# KiCad board EnvKB105-RPI.kicad_pcb
date: 2021-06-16
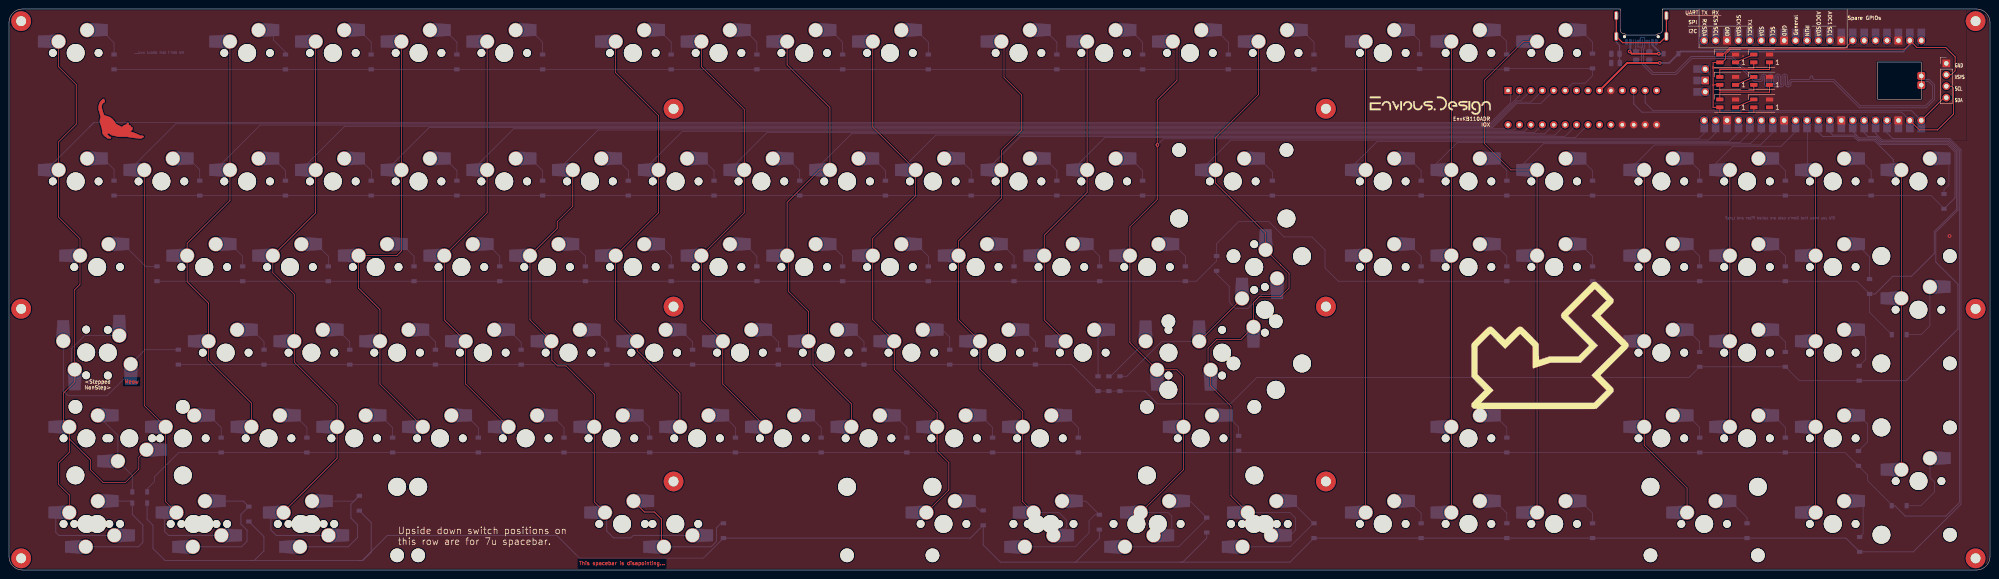
[diagram p0: board, top side]
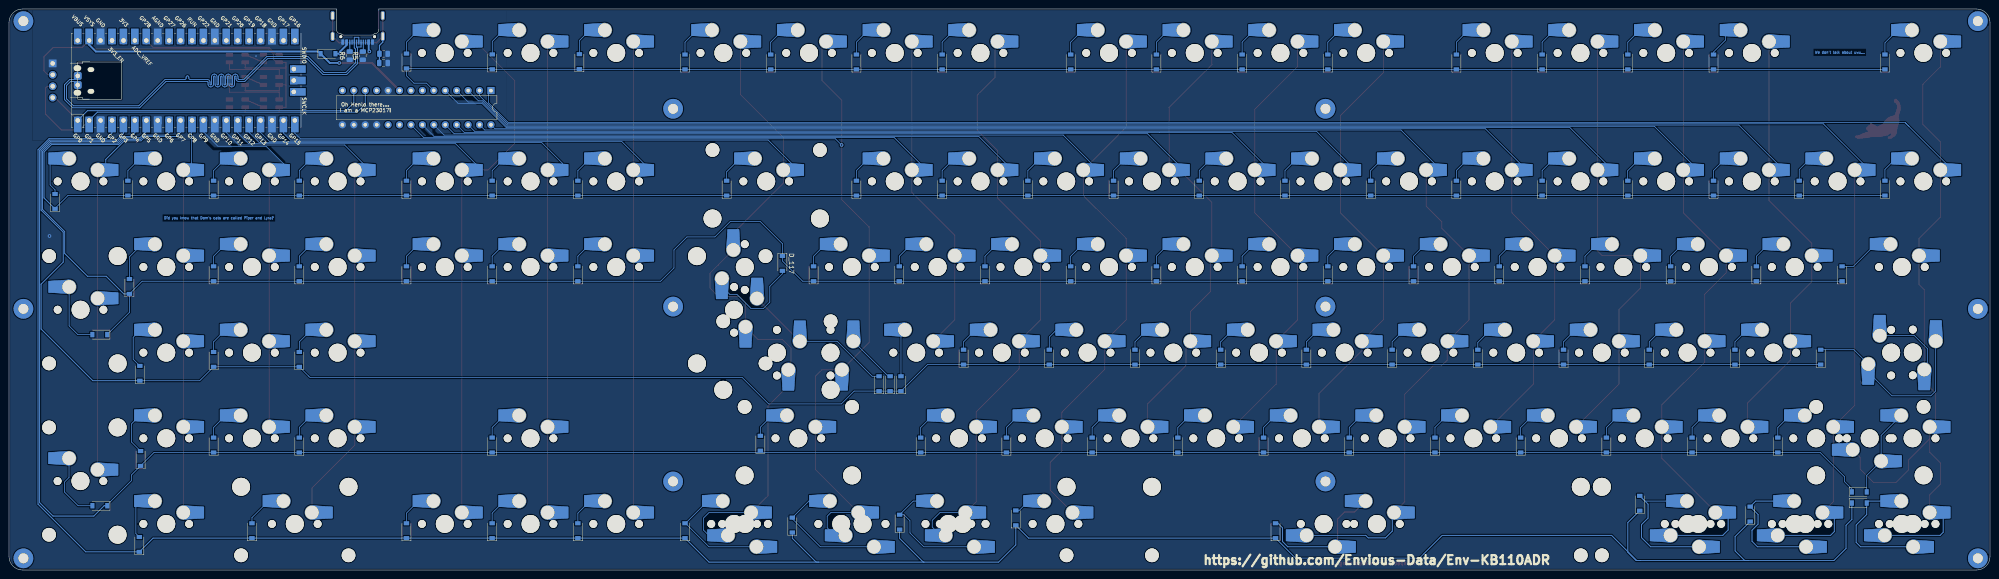
[diagram p1: board, bottom side, seen from below]

Outline 440.3 x 124.8 mm; copper layers: Top, Bottom. Coordinates in mm from the lower left corner of the outline.
Outline path: rectangle 415.3,113 425.05,104.7 ; 358.1,124.6 358.1,124.8 3,124.8 arc(0.88,123.92) 0,121.8 0,3 arc(0.88,0.88) 3,0 437.3,0 arc(439.42,0.88) 440.3,3 440.3,121.8 arc(439.42,123.92) 437.3,124.8 367.5,124.8 367.5,124.6
Stack: Top 0.035mm / dielectric 1.51mm FR4 er 4.5 / Bottom 0.035mm

## Placement (name value [footprint] x y rotation side)
C1  0.1uf  [C_0805_2012Metric]  357.07 112.78 180 bottom
D1  1N4002W  [D_SOD-123]  369.4 114.85 180 bottom
D_12  SOD-123  [D_SOD-123]  23.35 113.02 90 bottom
D_13  SOD-123  [D_SOD-123]  61.45 113.02 90 bottom
D_14  SOD-123  [D_SOD-123]  80.5 113.02 90 bottom
D_15  SOD-123  [D_SOD-123]  99.55 113.02 90 bottom
D_16  SOD-123  [D_SOD-123]  118.6 113.02 90 bottom
D_17  SOD-123  [D_SOD-123]  147.18 113.02 90 bottom
D_18  SOD-123  [D_SOD-123]  166.23 113.02 90 bottom
D_19  SOD-123  [D_SOD-123]  185.27 113.02 90 bottom
D_20  SOD-123  [D_SOD-123]  204.32 113.02 90 bottom
D_21  SOD-123  [D_SOD-123]  232.9 113.02 90 bottom
D_22  SOD-123  [D_SOD-123]  251.95 113.02 90 bottom
D_23  SOD-123  [D_SOD-123]  271 113.02 90 bottom
D_24  SOD-123  [D_SOD-123]  290.05 113.02 90 bottom
D_25  SOD-123  [D_SOD-123]  313.52 113.1 90 bottom
D_26  SOD-123  [D_SOD-123]  332.89 113.05 90 bottom
D_27  SOD-123  [D_SOD-123]  351.95 113.23 90 bottom
D_28  SOD-123  [D_SOD-123]  23.35 84.95 90 bottom
D_29  SOD-123  [D_SOD-123]  42.4 84.95 90 bottom
D_30  SOD-123  [D_SOD-123]  61.45 84.95 90 bottom
D_31  SOD-123  [D_SOD-123]  80.5 84.95 90 bottom
D_32  SOD-123  [D_SOD-123]  99.55 84.95 90 bottom
D_33  SOD-123  [D_SOD-123]  118.6 84.95 90 bottom
D_34  SOD-123  [D_SOD-123]  137.65 84.95 90 bottom
D_35  SOD-123  [D_SOD-123]  156.7 84.95 90 bottom
D_36  SOD-123  [D_SOD-123]  175.75 84.95 90 bottom
D_37  SOD-123  [D_SOD-123]  194.8 84.95 90 bottom
D_38  SOD-123  [D_SOD-123]  213.85 84.95 90 bottom
D_39  SOD-123  [D_SOD-123]  232.9 84.95 90 bottom
D_40  SOD-123  [D_SOD-123]  251.95 84.95 90 bottom
D_41  SOD-123  [D_SOD-123]  280.8 84.95 90 bottom
D_42  SOD-123  [D_SOD-123]  313.86 84.95 90 bottom
D_43  SOD-123  [D_SOD-123]  332.91 84.95 90 bottom
D_44  SOD-123  [D_SOD-123]  351.96 84.95 90 bottom
D_45  SOD-123  [D_SOD-123]  375.77 84.95 90 bottom
D_46  SOD-123  [D_SOD-123]  394.82 84.95 90 bottom
D_47  SOD-123  [D_SOD-123]  413.88 84.95 90 bottom
D_48  SOD-123  [D_SOD-123]  430.07 81.99 90 bottom
D_49  SOD-123  [D_SOD-123]  32.88 65.9 90 bottom
D_50  SOD-123  [D_SOD-123]  51.92 65.9 90 bottom
D_51  SOD-123  [D_SOD-123]  70.98 65.9 90 bottom
D_52  SOD-123  [D_SOD-123]  90.03 65.9 90 bottom
D_53  SOD-123  [D_SOD-123]  109.08 65.9 90 bottom
D_54  SOD-123  [D_SOD-123]  128.12 65.9 90 bottom
D_55  SOD-123  [D_SOD-123]  147.18 65.9 90 bottom
D_56  SOD-123  [D_SOD-123]  166.23 65.9 90 bottom
D_57  SOD-123  [D_SOD-123]  185.27 65.9 90 bottom
D_58  SOD-123  [D_SOD-123]  204.32 65.9 90 bottom
D_59  SOD-123  [D_SOD-123]  223.38 65.9 90 bottom
D_60  SOD-123  [D_SOD-123]  242.43 65.9 90 bottom
D_61  SOD-123  [D_SOD-123]  261.47 65.9 90 bottom
D_62  SOD-123  [D_SOD-123]  246.91 41.45 90 bottom
D_63  SOD-123  [D_SOD-123]  313.86 65.9 90 bottom
D_64  SOD-123  [D_SOD-123]  332.91 65.9 90 bottom
D_65  SOD-123  [D_SOD-123]  351.96 65.9 90 bottom
D_66  SOD-123  [D_SOD-123]  375.77 65.9 90 bottom
D_67  SOD-123  [D_SOD-123]  394.82 65.9 90 bottom
D_68  SOD-123  [D_SOD-123]  413.53 63.07 90 bottom
D_69  SOD-123  [D_SOD-123]  420.12 52.37 0 bottom
D_70  SOD-123  [D_SOD-123]  37.64 47.35 90 bottom
D_71  SOD-123  [D_SOD-123]  56.69 47.35 90 bottom
D_72  SOD-123  [D_SOD-123]  75.74 47.35 90 bottom
D_73  SOD-123  [D_SOD-123]  94.79 47.35 90 bottom
D_74  SOD-123  [D_SOD-123]  113.84 47.35 90 bottom
D_75  SOD-123  [D_SOD-123]  132.89 47.35 90 bottom
D_76  SOD-123  [D_SOD-123]  151.94 47.35 90 bottom
D_77  SOD-123  [D_SOD-123]  170.99 47.35 90 bottom
D_78  SOD-123  [D_SOD-123]  190.04 47.35 90 bottom
D_79  SOD-123  [D_SOD-123]  209.09 47.35 90 bottom
D_80  SOD-123  [D_SOD-123]  228.14 47.35 90 bottom
D_81  SOD-123  [D_SOD-123]  242.05 41.45 90 bottom
D_82  SOD-123  [D_SOD-123]  244.46 41.45 90 bottom
D_83  SOD-123  [D_SOD-123]  375.77 46.85 90 bottom
D_84  SOD-123  [D_SOD-123]  394.82 46.85 90 bottom
D_85  SOD-123  [D_SOD-123]  411.22 43.76 90 bottom
D_86  SOD-123  [D_SOD-123]  29.05 17.38 180 bottom
D_87  SOD-123  [D_SOD-123]  47.16 27.8 90 bottom
D_88  SOD-123  [D_SOD-123]  66.21 27.8 90 bottom
D_89  SOD-123  [D_SOD-123]  85.26 27.8 90 bottom
D_90  SOD-123  [D_SOD-123]  104.31 27.8 90 bottom
D_91  SOD-123  [D_SOD-123]  123.36 27.8 90 bottom
D_92  SOD-123  [D_SOD-123]  142.41 27.8 90 bottom
D_93  SOD-123  [D_SOD-123]  161.46 27.8 90 bottom
D_94  SOD-123  [D_SOD-123]  180.51 27.8 90 bottom
D_95  SOD-123  [D_SOD-123]  199.56 27.8 90 bottom
D_96  SOD-123  [D_SOD-123]  218.61 27.8 90 bottom
D_97  SOD-123  [D_SOD-123]  237.66 27.8 90 bottom
D_98  SOD-123  [D_SOD-123]  273.3 28.2 90 bottom
D_99  SOD-123  [D_SOD-123]  332.91 27.8 90 bottom
D_100  SOD-123  [D_SOD-123]  375.77 27.8 90 bottom
D_101  SOD-123  [D_SOD-123]  394.82 27.8 90 bottom
D_102  SOD-123  [D_SOD-123]  411.06 24.81 90 bottom
D_103  SOD-123  [D_SOD-123]  420.11 14.3 0 bottom
D_104  SOD-123  [D_SOD-123]  29.05 14.9 180 bottom
D_105  SOD-123  [D_SOD-123]  53.3 12.45 90 bottom
D_106  SOD-123  [D_SOD-123]  77.85 14.85 90 bottom
D_107  SOD-123  [D_SOD-123]  158.8 8.75 90 bottom
D_108  SOD-123  [D_SOD-123]  216.52 11.6 90 bottom
D_109  SOD-123  [D_SOD-123]  242.35 10.65 90 bottom
D_110  SOD-123  [D_SOD-123]  266.2 10 90 bottom
D_111  SOD-123  [D_SOD-123]  290.05 8.75 90 bottom
D_112  SOD-123  [D_SOD-123]  313.86 8.75 90 bottom
D_113  SOD-123  [D_SOD-123]  332.91 8.75 90 bottom
D_114  SOD-123  [D_SOD-123]  351.96 8.75 90 bottom
D_115  SOD-123  [D_SOD-123]  386.3 8.75 90 bottom
D_116  SOD-123  [D_SOD-123]  411.33 5.69 90 bottom
D_117  SOD-123  [D_SOD-123]  268.4 68.2 270 bottom
G***  LOGO  [lyra]  342.5 49.95 0 top
G***#2  LOGO  [cat]  24.9 100.4 0 top
H1  MountingHole  [MountingHole_2.2mm_M2_Pad-Mod]  2.7 58.1 0 top
H2  MountingHole  [MountingHole_2.2mm_M2_Pad-Mod]  147.7 19.7 0 top
H3  MountingHole  [MountingHole_2.2mm_M2_Pad-Mod]  292.7 19.7 0 top
H4  MountingHole  [MountingHole_2.2mm_M2_Pad-Mod]  437.1 58.1 0 top
H5  MountingHole  [MountingHole_2.2mm_M2_Pad-Mod]  2.7 2.6 0 top
H6  MountingHole  [MountingHole_2.2mm_M2_Pad-Mod]  147.7 102.6 0 top
H7  MountingHole  [MountingHole_2.2mm_M2_Pad-Mod]  292.7 102.6 0 top
H8  MountingHole  [MountingHole_2.2mm_M2_Pad-Mod]  437.1 2.6 0 top
H9  MountingHole  [MountingHole_2.2mm_M2_Pad-Mod]  2.7 122.1 0 top
H10  MountingHole  [MountingHole_2.2mm_M2_Pad-Mod]  147.7 58.6 0 top
H11  MountingHole  [MountingHole_2.2mm_M2_Pad-Mod]  292.7 58.6 0 top
H12  MountingHole  [MountingHole_2.2mm_M2_Pad-Mod]  437.1 122.1 0 top
J1  Conn_01x04  [PinHeader_1x04_P2.54mm_Vertical]  430.59 112.7 0 top
K_12  KEYSW  [MXOnly-1U-Hotswap-Modified]  14.83 115.02 0 top
K_13  KEYSW  [MXOnly-1U-Hotswap-Modified]  52.92 115.02 0 top
K_14  KEYSW  [MXOnly-1U-Hotswap-Modified]  71.98 115.02 0 top
K_15  KEYSW  [MXOnly-1U-Hotswap-Modified]  91.03 115.02 0 top
K_16  KEYSW  [MXOnly-1U-Hotswap-Modified]  110.08 115.02 0 top
K_17  KEYSW  [MXOnly-1U-Hotswap-Modified]  138.65 115.02 0 top
K_18  KEYSW  [MXOnly-1U-Hotswap-Modified]  157.7 115.02 0 top
K_19  KEYSW  [MXOnly-1U-Hotswap-Modified]  176.75 115.02 0 top
K_20  KEYSW  [MXOnly-1U-Hotswap-Modified]  195.8 115.02 0 top
K_21  KEYSW  [MXOnly-1U-Hotswap-Modified]  224.38 115.02 0 top
K_22  KEYSW  [MXOnly-1U-Hotswap-Modified]  243.43 115.02 0 top
K_23  KEYSW  [MXOnly-1U-Hotswap-Modified]  262.47 115.02 0 top
K_24  KEYSW  [MXOnly-1U-Hotswap-Modified]  281.52 115.02 0 top
K_25  KEYSW  [MXOnly-1U-Hotswap-Modified]  305.34 115.02 0 top
K_26  KEYSW  [MXOnly-1U-Hotswap-Modified]  324.39 115.02 0 top
K_27  KEYSW  [MXOnly-1U-Hotswap-Modified]  343.44 115.02 0 top
K_28  KEYSW  [MXOnly-1U-Hotswap-Modified]  14.83 86.45 0 top
K_29  KEYSW  [MXOnly-1U-Hotswap-Modified]  33.88 86.45 0 top
K_30  KEYSW  [MXOnly-1U-Hotswap-Modified]  52.92 86.45 0 top
K_31  KEYSW  [MXOnly-1U-Hotswap-Modified]  71.98 86.45 0 top
K_32  KEYSW  [MXOnly-1U-Hotswap-Modified]  91.03 86.45 0 top
K_33  KEYSW  [MXOnly-1U-Hotswap-Modified]  110.08 86.45 0 top
K_34  KEYSW  [MXOnly-1U-Hotswap-Modified]  129.12 86.45 0 top
K_35  KEYSW  [MXOnly-1U-Hotswap-Modified]  148.18 86.45 0 top
K_36  KEYSW  [MXOnly-1U-Hotswap-Modified]  167.23 86.45 0 top
K_37  KEYSW  [MXOnly-1U-Hotswap-Modified]  186.27 86.45 0 top
K_38  KEYSW  [MXOnly-1U-Hotswap-Modified]  205.32 86.45 0 top
K_39  KEYSW  [MXOnly-1U-Hotswap-Modified]  224.38 86.45 0 top
K_40  KEYSW  [MXOnly-1U-Hotswap-Modified]  243.43 86.45 0 top
K_41  KEYSW  [MXOnly-1U-Hotswap-Modified]  272 86.45 0 top
K_42  KEYSW  [MXOnly-1U-Hotswap-Modified]  305.34 86.45 0 top
K_43  KEYSW  [MXOnly-1U-Hotswap-Modified]  324.39 86.45 0 top
K_44  KEYSW  [MXOnly-1U-Hotswap-Modified]  343.44 86.45 0 top
K_45  KEYSW  [MXOnly-1U-Hotswap-Modified]  367.25 86.45 0 top
K_46  KEYSW  [MXOnly-1U-Hotswap-Modified]  386.3 86.45 0 top
K_47  KEYSW  [MXOnly-1U-Hotswap-Modified]  405.35 86.45 0 top
K_48  KEYSW  [MXOnly-1U-Hotswap-Modified]  424.4 86.45 0 top
K_49  KEYSW  [MXOnly-1U-Hotswap-Modified]  19.59 67.4 0 top
K_50  KEYSW  [MXOnly-1U-Hotswap-Modified]  43.4 67.4 0 top
K_51  KEYSW  [MXOnly-1U-Hotswap-Modified]  62.45 67.4 0 top
K_52  KEYSW  [MXOnly-1U-Hotswap-Modified]  81.5 67.4 0 top
K_53  KEYSW  [MXOnly-1U-Hotswap-Modified]  100.55 67.4 0 top
K_54  KEYSW  [MXOnly-1U-Hotswap-Modified]  119.6 67.4 0 top
K_55  KEYSW  [MXOnly-1U-Hotswap-Modified]  138.65 67.4 0 top
K_56  KEYSW  [MXOnly-1U-Hotswap-Modified]  157.7 67.4 0 top
K_57  KEYSW  [MXOnly-1U-Hotswap-Modified]  176.75 67.4 0 top
K_58  KEYSW  [MXOnly-1U-Hotswap-Modified]  195.8 67.4 0 top
K_59  KEYSW  [MXOnly-1U-Hotswap-Modified]  214.85 67.4 0 top
K_60  KEYSW  [MXOnly-1U-Hotswap-Modified]  233.9 67.4 0 top
K_61  KEYSW  [MXOnly-1U-Hotswap-Modified]  252.95 67.4 0 top
K_62  KEYSW  [MXOnly-1U-Hotswap-Modified]  279.14 57.88 90 top
K_63  KEYSW  [MXOnly-1U-Hotswap-Modified]  305.34 67.4 0 top
K_64  KEYSW  [MXOnly-1U-Hotswap-Modified]  324.39 67.4 0 top
K_65  KEYSW  [MXOnly-1U-Hotswap-Modified]  343.44 67.4 0 top
K_66  KEYSW  [MXOnly-1U-Hotswap-Modified]  367.25 67.4 0 top
K_67  KEYSW  [MXOnly-1U-Hotswap-Modified]  386.3 67.4 0 top
K_68  KEYSW  [MXOnly-1U-Hotswap-Modified]  405.35 67.4 0 top
K_69  KEYSW  [MXOnly-1U-Hotswap-Modified]  424.4 57.9 0 top
K_70  KEYSW  [MXOnly-1U-Hotswap-Modified]  21.97 48.35 270 top
K_70B1  KEYSW  [MXOnly-1U-Hotswap-Modified]  17.15 48.4 90 top
K_71  KEYSW  [MXOnly-1U-Hotswap-Modified]  48.16 48.35 0 top
K_72  KEYSW  [MXOnly-1U-Hotswap-Modified]  67.21 48.35 0 top
K_73  KEYSW  [MXOnly-1U-Hotswap-Modified]  86.26 48.35 0 top
K_74  KEYSW  [MXOnly-1U-Hotswap-Modified]  105.31 48.35 0 top
K_75  KEYSW  [MXOnly-1U-Hotswap-Modified]  124.36 48.35 0 top
K_76  KEYSW  [MXOnly-1U-Hotswap-Modified]  143.41 48.35 0 top
K_77  KEYSW  [MXOnly-1U-Hotswap-Modified]  162.46 48.35 0 top
K_78  KEYSW  [MXOnly-1U-Hotswap-Modified]  181.51 48.35 0 top
K_79  KEYSW  [MXOnly-1U-Hotswap-Modified]  200.56 48.35 0 top
K_80  KEYSW  [MXOnly-1U-Hotswap-Modified]  219.61 48.35 0 top
K_81  KEYSW  [MXOnly-1U-Hotswap-Modified]  238.66 48.35 0 top
K_82  KEYSW  [MXOnly-1U-Hotswap-Modified]  257.71 48.35 90 top
K_83  KEYSW  [MXOnly-1U-Hotswap-Modified]  367.25 48.35 0 top
K_84  KEYSW  [MXOnly-1U-Hotswap-Modified]  386.3 48.35 0 top
K_85  KEYSW  [MXOnly-1U-Hotswap-Modified]  405.35 48.35 0 top
K_86  KEYSW  [MXOnly-1U-Hotswap-Modified]  17.21 29.3 0 top
K_87  KEYSW  [MXOnly-1U-Hotswap-Modified]  38.64 29.3 0 top
K_88  KEYSW  [MXOnly-1U-Hotswap-Modified]  57.69 29.3 0 top
K_89  KEYSW  [MXOnly-1U-Hotswap-Modified]  76.74 29.3 0 top
K_90  KEYSW  [MXOnly-1U-Hotswap-Modified]  95.79 29.3 0 top
K_91  KEYSW  [MXOnly-1U-Hotswap-Modified]  114.84 29.3 0 top
K_92  KEYSW  [MXOnly-1U-Hotswap-Modified]  133.89 29.3 0 top
K_93  KEYSW  [MXOnly-1U-Hotswap-Modified]  152.94 29.3 0 top
K_94  KEYSW  [MXOnly-1U-Hotswap-Modified]  171.99 29.3 0 top
K_95  KEYSW  [MXOnly-1U-Hotswap-Modified]  191.04 29.3 0 top
K_96  KEYSW  [MXOnly-1U-Hotswap-Modified]  210.09 29.3 0 top
K_97  KEYSW  [MXOnly-1U-Hotswap-Modified]  229.14 29.3 0 top
K_98  KEYSW  [MXOnly-1U-Hotswap-Modified]  264.86 29.3 0 top
K_99  KEYSW  [MXOnly-1U-Hotswap-Modified]  324.39 29.3 0 top
K_100  KEYSW  [MXOnly-1U-Hotswap-Modified]  367.25 29.3 0 top
K_101  KEYSW  [MXOnly-1U-Hotswap-Modified]  386.3 29.3 0 top
K_102  KEYSW  [MXOnly-1U-Hotswap-Modified]  405.35 29.3 0 top
K_103  KEYSW  [MXOnly-1U-Hotswap-Modified]  424.42 19.78 0 top
K_104  KEYSW  [MXOnly-1U-Hotswap-Modified]  17.21 10.25 0 top
K_104B1  KEYSW  [MXOnly-1U-Hotswap-Modified]  19.6 10.25 180 top
K_105  KEYSW  [MXOnly-1U-Hotswap-Modified]  41.02 10.25 0 top
K_105B1  KEYSW  [MXOnly-1U-Hotswap-Modified]  43.4 10.25 180 top
K_106  KEYSW  [MXOnly-1U-Hotswap-Modified]  64.83 10.25 0 top
K_106B1  KEYSW  [MXOnly-1U-Hotswap-Modified]  67.2 10.25 180 top
K_107  KEYSW  [MXOnly-1U-Hotswap-Modified]  136.27 10.25 0 top
K_107B1  KEYSW  [MXOnly-1U-Hotswap-Modified]  148.1 10.25 180 top
K_108  KEYSW  [MXOnly-1U-Hotswap-Modified]  207.71 10.25 0 top
K_108B1  KEYSW  [MXOnly-1U-Hotswap-Modified]  228.33 10.25 180 top
K_109  KEYSW  [MXOnly-1U-Hotswap-Modified]  231.52 10.25 0 top
K_109B1  KEYSW  [MXOnly-1U-Hotswap-Modified]  250.57 10.25 180 top
K_110  KEYSW  [MXOnly-1U-Hotswap-Modified]  255.33 10.25 0 top
K_111  KEYSW  [MXOnly-1U-Hotswap-Modified]  279.14 10.25 0 top
K_111B1  KEYSW  [MXOnly-1U-Hotswap-Modified]  276.7 10.25 180 top
K_112  KEYSW  [MXOnly-1U-Hotswap-Modified]  305.34 10.25 0 top
K_113  KEYSW  [MXOnly-1U-Hotswap-Modified]  324.39 10.25 0 top
K_114  KEYSW  [MXOnly-1U-Hotswap-Modified]  343.44 10.25 0 top
K_115  KEYSW  [MXOnly-1U-Hotswap-Modified]  376.77 10.25 0 top
K_116  KEYSW  [MXOnly-1U-Hotswap-Modified]  405.35 10.25 0 top
K_ANSI_1  KEYSW  [MXOnly-1U-Hotswap-Modified]  26.74 29.3 180 top
K_ANSI_2  KEYSW  [MXOnly-1U-Hotswap-Modified]  269.62 48.34 90 top
K_ANSI_3  KEYSW  [MXOnly-1U-Hotswap-Modified]  276.76 67.4 270 top
kibuzzard-6261CED5  G***  [kibuzzard-6261CED5]  315.9 103.3 0 top
R1  330r  [R_0805_2012Metric]  357.05 114.83 180 bottom
R5  5.1K 0402  [R_0805_2012Metric]  361.66 114.41 90 bottom
R6  5.1K 0402  [R_0805_2012Metric]  364.58 114.42 90 bottom
rgb1  SK6812MINI  [LED_SK6812MINI_PLCC4_3.5x3.5mm_P1.75mm]  382 113.8 180 top
rgb2  SK6812MINI  [LED_SK6812MINI_PLCC4_3.5x3.5mm_P1.75mm]  389.55 113.8 180 top
rgb3  SK6812MINI  [LED_SK6812MINI_PLCC4_3.5x3.5mm_P1.75mm]  382 108.8 180 top
rgb4  SK6812MINI  [LED_SK6812MINI_PLCC4_3.5x3.5mm_P1.75mm]  389.55 108.8 180 top
rgb5  SK6812MINI  [LED_SK6812MINI_PLCC4_3.5x3.5mm_P1.75mm]  382 103.8 180 top
rgb6  SK6812MINI  [LED_SK6812MINI_PLCC4_3.5x3.5mm_P1.75mm]  389.55 103.8 180 top
stab1  MountingHole  [Stabilizer_Cherry_MX_2u]  272 86.45 0 top
stab2  MountingHole  [Stabilizer_Cherry_MX_2u]  269.62 48.34 0 top
stab3  MountingHole  [Stabilizer_Cherry_MX_2u]  26.7 29.31 0 top
stab4  MountingHole  [Stabilizer_Cherry_MX_2u]  264.86 29.3 0 top
stab5  MountingHole  [Stabilizer_Cherry_MX_6.25u]  136.27 10.25 180 top
stab6  MountingHole  [Stabilizer_Cherry_MX_2u]  279.14 57.88 90 top
stab7  MountingHole  [Stabilizer_Cherry_MX_2u]  424.4 57.9 270 top
stab8  MountingHole  [Stabilizer_Cherry_MX_2u]  424.42 19.78 270 top
stab9  MountingHole  [Stabilizer_Cherry_MX_2u]  376.77 10.25 180 top
stab101  MountingHole  [Stabilizer_Cherry_MX_7u]  148.1 10.25 180 top
U1  Pico  [RPi_Pico_SMD_TH_Modified]  400.9 108.9 90 bottom
U2  MCP23017_SP  [DIP-28_W7.62mm]  333.18 106.66 270 bottom
USB1  TYPE-C-31-M-14  [USB_C_TYPE-C-31-M-14]  362.8 120.3 0 bottom

## Library data of the parts
USB1 = -: LCSC: C319148; MPN: U262-161N-4BVC11; Manufacturer: XKB Enterprise

## Footprints (pads in the part's own frame, mm; a bottom-side part is the same pattern mirrored in y, then rotated)
C_0805_2012Metric
  rrect 1x1.45 smd: 1(-0.95,0) 2(0.95,0)
D_SOD-123
  rect 0.9x1.2 smd: 1(-1.65,0) 2(1.65,0)
DIP-28_W7.62mm
  rect 1.6x1.6 hole 0.8: 1(0,0)
  oval 1.6x1.6 hole 0.8: 2(0,-2.54) 3(0,-5.08) 4(0,-7.62) 5(0,-10.16) 6(0,-12.7) 7(0,-15.24) 8(0,-17.78) 9(0,-20.32) 10(0,-22.86) 11(0,-25.4) 12(0,-27.94) 13(0,-30.48) 14(0,-33.02) 15(7.62,-33.02) 16(7.62,-30.48) 17(7.62,-27.94) 18(7.62,-25.4) 19(7.62,-22.86) 20(7.62,-20.32) 21(7.62,-17.78) 22(7.62,-15.24) 23(7.62,-12.7) 24(7.62,-10.16) 25(7.62,-7.62) 26(7.62,-5.08) 27(7.62,-2.54) 28(7.62,0)
LED_SK6812MINI_PLCC4_3.5x3.5mm_P1.75mm
  rect 1.6x0.85 smd: 1(-1.75,0.875) 2(-1.75,-0.875) 3(1.75,-0.875) 4(1.75,0.875)
MountingHole_2.2mm_M2_Pad-Mod
  round 4.4 hole 2.2: 1(0,0)
MXOnly-1U-Hotswap-Modified
  rect 2.55x2.5 smd: (-7.085,2.54) (5.815,5.08)
  round 1.75 hole 1.75 unplated: (-5.08,0) (5.08,0)
  round 3.988 hole 3.988 unplated: (0,0)
  rect 5.5x2.5 smd far side: 1(-5.61,2.54) 2(4.34,5.08)
  round 3.25 hole 3: 1(-3.81,2.54) 2(2.54,5.08)
PinHeader_1x04_P2.54mm_Vertical
  rect 1.7x1.7 hole 1: 1(0,0)
  oval 1.7x1.7 hole 1: 2(0,-2.54) 3(0,-5.08) 4(0,-7.62)
R_0805_2012Metric
  rrect 1.025x1.4 smd: 1(-0.912,0) 2(0.912,0)
RPi_Pico_SMD_TH_Modified
  oval 1.35x1.7 smd: (-2.73,24.19) (2.73,24.19)
  oval 1.1x1.5 smd: (-2.42,21.19) (2.42,21.19)
  oval 1.7x1.7 hole 1.02: 1(-8.89,24.13) 2(-8.89,21.59) 4(-8.89,16.51) 5(-8.89,13.97) 6(-8.89,11.43) 7(-8.89,8.89) 9(-8.89,3.81) 10(-8.89,1.27) 11(-8.89,-1.27) 12(-8.89,-3.81) 14(-8.89,-8.89) 15(-8.89,-11.43) 16(-8.89,-13.97) 17(-8.89,-16.51) 19(-8.89,-21.59) 20(-8.89,-24.13) 21(8.89,-24.13) 22(8.89,-21.59) 24(8.89,-16.51) 25(8.89,-13.97) 26(8.89,-11.43) 27(8.89,-8.89) 29(8.89,-3.81) 30(8.89,-1.27) 31(8.89,1.27) 32(8.89,3.81) 34(8.89,8.89) 35(8.89,11.43) 36(8.89,13.97) 37(8.89,16.51) 39(8.89,21.59) 40(8.89,24.13) 41(-2.54,-23.9) 43(2.54,-23.9)
  rect 3.5x1.7 smd: 1(-8.89,24.13) 2(-8.89,21.59) 3(-8.89,19.05) 4(-8.89,16.51) 5(-8.89,13.97) 6(-8.89,11.43) 7(-8.89,8.89) 8(-8.89,6.35) 9(-8.89,3.81) 10(-8.89,1.27) 11(-8.89,-1.27) 12(-8.89,-3.81) 13(-8.89,-6.35) 14(-8.89,-8.89) 15(-8.89,-11.43) 16(-8.89,-13.97) 17(-8.89,-16.51) 18(-8.89,-19.05) 19(-8.89,-21.59) 20(-8.89,-24.13) 21(8.89,-24.13) 22(8.89,-21.59) 23(8.89,-19.05) 24(8.89,-16.51) 25(8.89,-13.97) 26(8.89,-11.43) 27(8.89,-8.89) 28(8.89,-6.35) 29(8.89,-3.81) 30(8.89,-1.27) 31(8.89,1.27) 32(8.89,3.81) 33(8.89,6.35) 34(8.89,8.89) 35(8.89,11.43) 36(8.89,13.97) 37(8.89,16.51) 38(8.89,19.05) 39(8.89,21.59) 40(8.89,24.13)
  rect 1.7x1.7 hole 1.02: 3(-8.89,19.05) 8(-8.89,6.35) 13(-8.89,-6.35) 18(-8.89,-19.05) 23(8.89,-19.05) 28(8.89,-6.35) 33(8.89,6.35) 38(8.89,19.05) 42(0,-23.9)
  rect 1.7x3.5 smd: 41(-2.54,-23.9) 42(0,-23.9) 43(2.54,-23.9)
  rrect 1.75x1.75 hole 1: TP2(1.016,24.125) TP3(-1.016,24.125)
Stabilizer_Cherry_MX_2u
  round 3.048 hole 3.048 unplated: (-11.938,6.985) (11.938,6.985)
  round 3.988 hole 3.988 unplated: (-11.938,-8.255) (11.938,-8.255)
Stabilizer_Cherry_MX_6.25u
  round 3.048 hole 3.048 unplated: (-50,6.985) (50,6.985)
  round 3.988 hole 3.988 unplated: (-50,-8.255) (50,-8.255)
Stabilizer_Cherry_MX_7u
  round 3.048 hole 3.048 unplated: (-57.15,6.985) (57.15,6.985)
  round 3.988 hole 3.988 unplated: (-57.15,-8.255) (57.15,-8.255)
USB_C_TYPE-C-31-M-14
  oval 1.2x2.4 smd: (-5.675,-3.02) (-5.675,1.58) (5.675,-3.02) (5.675,1.58)
  round 0.65 hole 0.65 unplated: (-3.75,1.66) (3.75,1.66)
  rect 0.6x1.1 smd: A1(-3.3,2.86) A4(-2.45,2.86) A9(2.45,2.86) A12(3.3,2.86) B1(3.3,2.86) B4(2.45,2.86) B9(-2.45,2.86) B12(-3.3,2.86)
  rect 0.3x1.1 smd: A5(-1.25,2.86) A6(-0.25,2.86) A7(0.25,2.86) A8(1.25,2.86) B5(1.75,2.86) B6(0.75,2.86) B7(-0.75,2.86) B8(-1.75,2.86)
  oval 0.9x2.1 hole 0.5x1.7: S1(-5.575,-3.02) S1(-5.575,1.58) S1(5.575,-3.02) S1(5.575,1.58)
